# Altium PCB 28Pins_Project_V1I1_PCB.PcbDoc (part 1 of 2) (continued)
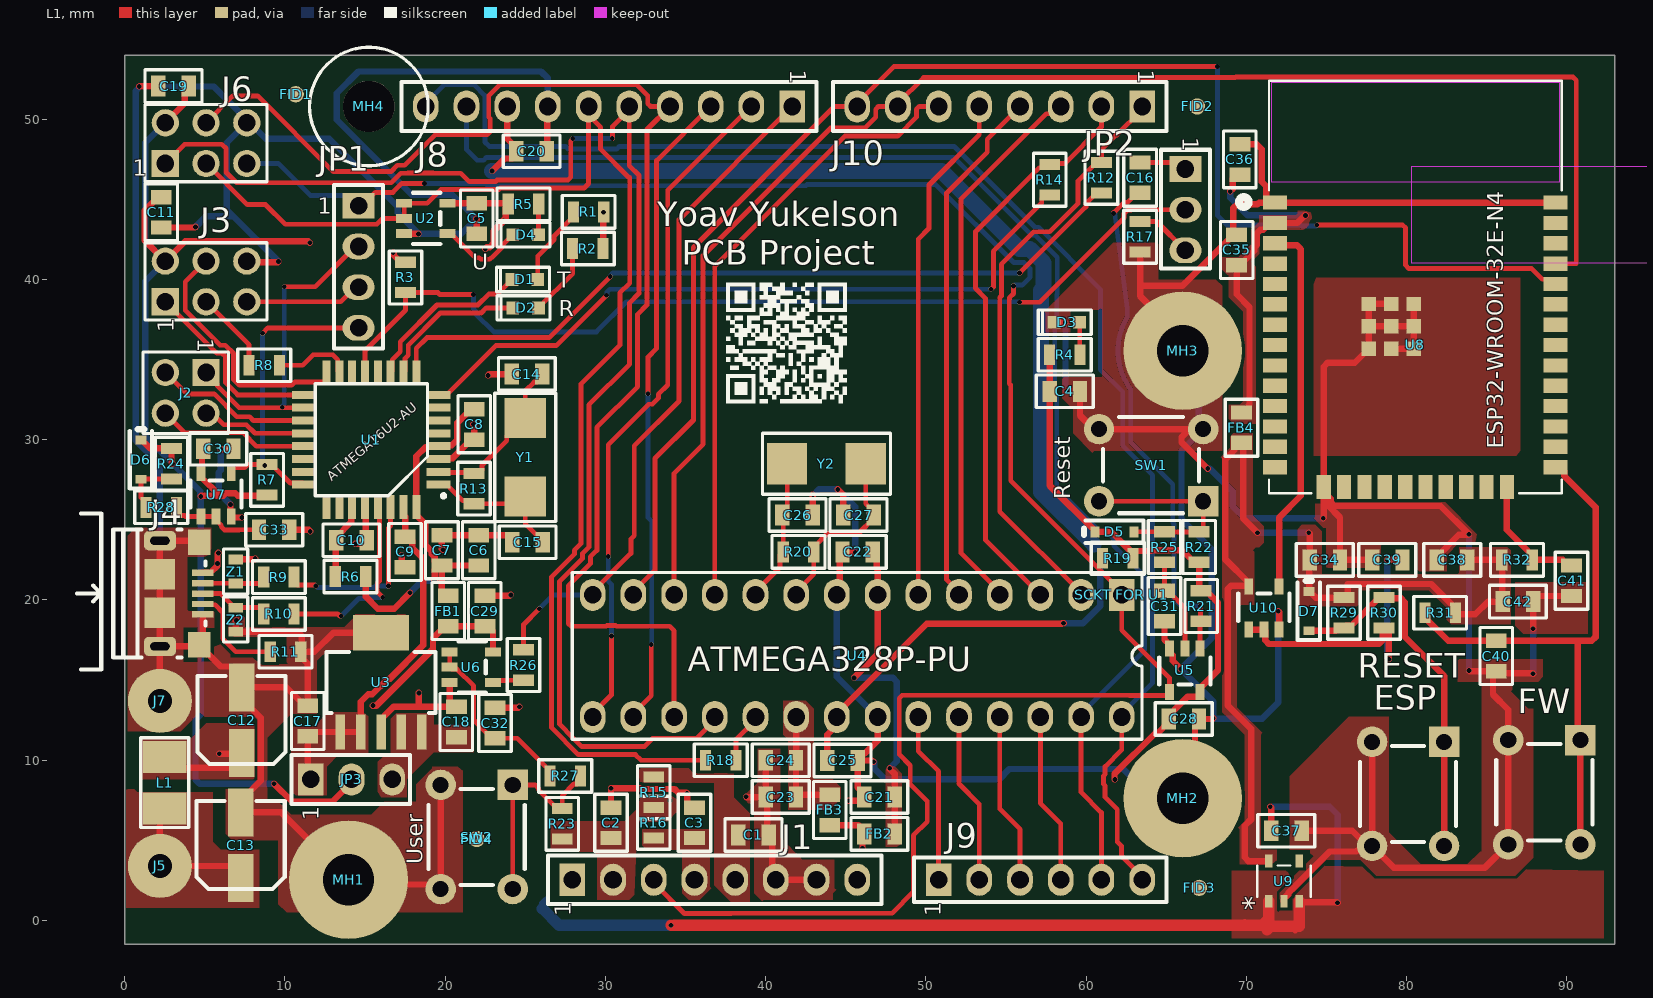
[diagram p0: L1 view]
## Part data (continued)
U3: "LDO Regulator Pos 3.3V 1.5A 6-Pin(5+Tab) SOT-223 T/R", Case/Package=SOT-223, Dropout Voltage=340mV, Input Bias Current=1mA, Manufacturer="Texas Instruments", Manufacturer Lifecycle Status=ACTIVE, Max Operating Temperature=125°C, Max Output current=1.5A, Max Output Voltage=3.3V, Max Supply Voltage=20V, Min Current Limit=1.6A, Min Input Voltage=2.1V, Min Operating Temperature=-40°C, Supplier Part Number=296-24534-1-ND, Accuracy=3%, Category="LDO Voltage Regulators", ComponentLink1Description=https://sigma.octopart.com:443/157894086/technical_drawing/Texas-Instruments-TL1963A-33DCQR.pdf?src-supplier=Texas+Instruments, ComponentLink1URL=https://sigma.octopart.com:443/157894086/technical_drawing/Texas-Instruments-TL1963A-33DCQR.pdf?src-supplier=Texas+Instruments, ComponentLink2Description=https://octopart.com:443/opatz8j6/c1?t=9mD5RQULXI1ak7xeTysiqjMNtmnZ6f-5FrTvB7_r4DbHBLnBFyEEUAB7oQRFYnYBddczv3zb-szTrB03ftlZv2FcwSVbX1IUuCPz-F24EiocuVTyjXQaBrNwp0XWuc7ycFLAG_MKvZUBNRr1Kujjht5i4PaggjT-7bJY3-jj4DZpnnQIv7ySfpA6BMsphC1XW0_WwwgTXSKtZ1S6jwFHj7xvtBGZxuzfucLIfP5AIvSdtd4umaO4rR7NVOA6J3EyqGEsttc9TpCdgXmdws0TU8wj62VhhBxgIxrcHRMQN5GOh_xn18L9hc08DAt5ZWFL704F4Wh3Om-1wD4IH2LlknCXxwJwnYLHjLAF550iU_Eu_AsOvtCZCrOkfmPYMENTiRLgx3I&src-supplier=Texas+Instruments, ComponentLink2URL=https://octopart.com:443/opatz8j6/c1?t=9mD5RQULXI1ak7xeTysiqjMNtmnZ6f-5FrTvB7_r4DbHBLnBFyEEUAB7oQRFYnYBddczv3zb-szTrB03ftlZv2FcwSVbX1IUuCPz-F24EiocuVTyjXQaBrNwp0XWuc7ycFLAG_MKvZUBNRr1Kujjht5i4PaggjT-7bJY3-jj4DZpnnQIv7ySfpA6BMsphC1XW0_WwwgTXSKtZ1S6jwFHj7xvtBGZxuzfucLIfP5AIvSdtd4umaO4rR7NVOA6J3EyqGEsttc9TpCdgXmdws0TU8wj62VhhBxgIxrcHRMQN5GOh_xn18L9hc08DAt5ZWFL704F4Wh3Om-1wD4IH2LlknCXxwJwnYLHjLAF550iU_Eu_AsOvtCZCrOkfmPYMENTiRLgx3I&src-supplier=Texas+Instruments, ComponentLink3Description=https://datasheet.octopart.com:443/TL1963A-33DCQR-Texas-Instruments-datasheet-36835243.pdf?src-supplier=Texas+Instruments, ComponentLink3URL=https://datasheet.octopart.com:443/TL1963A-33DCQR-Texas-Instruments-datasheet-36835243.pdf?src-supplier=Texas+Instruments, ComponentLink4Description=https://sigma.octopart.com:443/49257225/technical_drawing/Texas-Instruments-TL1963A-33DCQR.pdf?src-supplier=Texas+Instruments, ComponentLink4URL=https://sigma.octopart.com:443/49257225/technical_drawing/Texas-Instruments-TL1963A-33DCQR.pdf?src-supplier=Texas+Instruments, ComponentLink5Description=https://datasheet.octopart.com:443/TL1963A-33DCQR-Texas-Instruments-datasheet-10255270.pdf?src-supplier=Texas+Instruments, ComponentLink5URL=https://datasheet.octopart.com:443/TL1963A-33DCQR-Texas-Instruments-datasheet-10255270.pdf?src-supplier=Texas+Instruments, ComponentLink6Description=https://datasheet.octopart.com:443/TL1963A-33DCQR-Texas-Instruments-datasheet-159117591.pdf?src-supplier=Augswan, ComponentLink6URL=https://datasheet.octopart.com:443/TL1963A-33DCQR-Texas-Instruments-datasheet-159117591.pdf?src-supplier=Augswan, ComponentLink7Description=http://sigma.octopart.com:80/conflict_mineral_statement/Texas-Instruments-company-63.pdf?src-supplier=Compliance+Statements, ComponentLink7URL=http://sigma.octopart.com:80/conflict_mineral_statement/Texas-Instruments-company-63.pdf?src-supplier=Compliance+Statements, ComponentLink8Description=http://sigma.octopart.com:80/reach_statement/Texas-Instruments-company-64.pdf?src-supplier=Compliance+Statements, ComponentLink8URL=http://sigma.octopart.com:80/reach_statement/Texas-Instruments-company-64.pdf?src-supplier=Compliance+Statements, Contact Plating=Gold, Height=0m, Lead Free="Lead Free", Length=6.5mm, Lifecycle Status=Production, Manufacturer Part Number=TL1963A-33DCQR, Min Output Voltage=3.3V, Number of Outputs=1, Number of Regulators=1, Output Current=1.5A, Output Type=Fixed, Output Voltage=3.3V, Packaging="Tape and Reel", Pins=6, Polarity=Positive, Pricing="1=3.4, 10=2.559, 25=2.348, 100=2.1156, 250=2.00476, 500=1.93796, 1000=1.88298 (USD)", Quiescent Current=1mA, Radiation Hardening=No, RoHS=Compliant, Schedule B="8542390000, 8542390000|8542390000|8542390000|8542390000|8542390000", Stock=7773, Supplier=DigiKey, Thickness=1.6mm, Width=3.5mm
U4: "Microchip - ATMEGA328P-PU - Microcontroller Mcu, 8 Bit, Atmega, 20MHZ, DIP-28", Case/Package=PDIP, Clock Frequency=20MHz, Manufacturer=Microchip, Max Operating Temperature=85°C, Max Supply Voltage=5.5V, Min Operating Temperature=-40°C, Min Supply Voltage=1.8V, Supplier Part Number=1715487, Category=Microcontrollers, ComponentLink1Description=https://datasheet.octopart.com:443/ATMEGA328P-PU-Atmel-datasheet-34147914.pdf?src-supplier=Upverter, ComponentLink1URL=https://datasheet.octopart.com:443/ATMEGA328P-PU-Atmel-datasheet-34147914.pdf?src-supplier=Upverter, ComponentLink2Description=https://datasheet.octopart.com:443/ATMEGA328P-PU-Microchip-datasheet-14421303.pdf?src-supplier=Upverter, ComponentLink2URL=https://datasheet.octopart.com:443/ATMEGA328P-PU-Microchip-datasheet-14421303.pdf?src-supplier=Upverter, ComponentLink3Description=https://datasheet.octopart.com:443/ATMEGA328P-PU-Atmel-datasheet-14353408.pdf?src-supplier=Upverter, ComponentLink3URL=https://datasheet.octopart.com:443/ATMEGA328P-PU-Atmel-datasheet-14353408.pdf?src-supplier=Upverter, ComponentLink4Description=https://datasheet.octopart.com:443/ATMEGA328P-PU-Microchip-datasheet-68295846.pdf?src-supplier=SHENGYU+ELECTRONICS, ComponentLink4URL=https://datasheet.octopart.com:443/ATMEGA328P-PU-Microchip-datasheet-68295846.pdf?src-supplier=SHENGYU+ELECTRONICS, ComponentLink5Description=https://datasheet.octopart.com:443/ATMEGA328P-PU-Microchip-datasheet-133520744.pdf?src-supplier=LKR, ComponentLink5URL=https://datasheet.octopart.com:443/ATMEGA328P-PU-Microchip-datasheet-133520744.pdf?src-supplier=LKR, ComponentLink6Description=https://datasheet.octopart.com:443/ATMEGA328P-PU-Microchip-datasheet-62316222.pdf?src-supplier=element14+APAC, ComponentLink6URL=https://datasheet.octopart.com:443/ATMEGA328P-PU-Microchip-datasheet-62316222.pdf?src-supplier=element14+APAC, ComponentLink7Description=https://datasheet.octopart.com:443/ATMEGA328P-PU-Atmel-datasheet-13381135.pdf?src-supplier=element14+APAC, ComponentLink7URL=https://datasheet.octopart.com:443/ATMEGA328P-PU-Atmel-datasheet-13381135.pdf?src-supplier=element14+APAC, ComponentLink8Description=https://datasheet.octopart.com:443/ATMEGA328P-PU-Microchip-datasheet-147334532.pdf?src-supplier=Microchip, ComponentLink8URL=https://datasheet.octopart.com:443/ATMEGA328P-PU-Microchip-datasheet-147334532.pdf?src-supplier=Microchip, ComponentLink9Description=https://datasheet.octopart.com:443/ATMEGA328P-PU-Microchip-datasheet-148646239.pdf?src-supplier=Microchip, ComponentLink9URL=https://datasheet.octopart.com:443/ATMEGA328P-PU-Microchip-datasheet-148646239.pdf?src-supplier=Microchip, ComponentLink10Description=https://datasheet.octopart.com:443/ATMEGA328P-PU-Microchip-datasheet-154741723.pdf?src-supplier=Electro+Sonic, ComponentLink10URL=https://datasheet.octopart.com:443/ATMEGA328P-PU-Microchip-datasheet-154741723.pdf?src-supplier=Electro+Sonic, ComponentLink11Description=https://datasheet.octopart.com:443/ATMEGA328P-PU-Microchip-datasheet-100453898.pdf?src-supplier=Burklin+Elektronik, ComponentLink11URL=https://datasheet.octopart.com:443/ATMEGA328P-PU-Microchip-datasheet-100453898.pdf?src-supplier=Burklin+Elektronik, ComponentLink12Description=https://datasheet.octopart.com:443/ATMEGA328P-PU-Atmel-datasheet-30457899.pdf?src-supplier=Seeed+Studio, ComponentLink12URL=https://datasheet.octopart.com:443/ATMEGA328P-PU-Atmel-datasheet-30457899.pdf?src-supplier=Seeed+Studio, ComponentLink13Description=https://datasheet.octopart.com:443/ATMEGA328P-PU-Microchip-datasheet-10842036.pdf?src-supplier=SOS+electronic, ComponentLink13URL=https://datasheet.octopart.com:443/ATMEGA328P-PU-Microchip-datasheet-10842036.pdf?src-supplier=SOS+electronic, ComponentLink14Description=https://datasheet.octopart.com:443/ATMEGA328P-PU-Microchip-datasheet-8364063.pdf?src-supplier=Jameco, ComponentLink14URL=https://datasheet.octopart.com:443/ATMEGA328P-PU-Microchip-datasheet-8364063.pdf?src-supplier=Jameco, ComponentLink15Description=https://datasheet.octopart.com:443/ATMEGA328P-PU-Microchip-datasheet-154323124.pdf?src-supplier=Jameco, ComponentLink15URL=https://datasheet.octopart.com:443/ATMEGA328P-PU-Microchip-datasheet-154323124.pdf?src-supplier=Jameco, ComponentLink16Description=https://datasheet.octopart.com:443/ATMEGA328P-PU-Atmel-datasheet-10389530.pdf?src-supplier=Newark, ComponentLink16URL=https://datasheet.octopart.com:443/ATMEGA328P-PU-Atmel-datasheet-10389530.pdf?src-supplier=Newark, ComponentLink17Description=https://datasheet.octopart.com:443/ATMEGA328P-PU-Microchip-datasheet-65729177.pdf?src-supplier=TME, ComponentLink17URL=https://datasheet.octopart.com:443/ATMEGA328P-PU-Microchip-datasheet-65729177.pdf?src-supplier=TME, ComponentLink18Description=https://datasheet.octopart.com:443/ATMEGA328P-PU-Microchip-datasheet-101746195.pdf?src-supplier=Future+Electronics, ComponentLink18URL=https://datasheet.octopart.com:443/ATMEGA328P-PU-Microchip-datasheet-101746195.pdf?src-supplier=Future+Electronics, ComponentLink19Description=http://sigma.octopart.com:80/188450569/materials_sheet/Microchip-ATMEGA328P-PU.pdf?src-supplier=Compliance+Statements, ComponentLink19URL=http://sigma.octopart.com:80/188450569/materials_sheet/Microchip-ATMEGA328P-PU.pdf?src-supplier=Compliance+Statements, ComponentLink20Description=http://sigma.octopart.com:80/conflict_mineral_statement/Microchip-company-68.pdf?src-supplier=Compliance+Statements, ComponentLink20URL=http://sigma.octopart.com:80/conflict_mineral_statement/Microchip-company-68.pdf?src-supplier=Compliance+Statements, ComponentLink21Description=http://sigma.octopart.com:80/conflict_mineral_statement/Microchip-company-69.pdf?src-supplier=Compliance+Statements, ComponentLink21URL=http://sigma.octopart.com:80/conflict_mineral_statement/Microchip-company-69.pdf?src-supplier=Compliance+Statements, ComponentLink22Description=http://sigma.octopart.com:80/reach_statement/Microchip-company-70.pdf?src-supplier=Compliance+Statements, ComponentLink22URL=http://sigma.octopart.com:80/reach_statement/Microchip-company-70.pdf?src-supplier=Compliance+Statements, ComponentLink23Description=http://sigma.octopart.com:80/rohs_statement/Microchip-company-71.pdf?src-supplier=Compliance+Statements, ComponentLink23URL=http://sigma.octopart.com:80/rohs_statement/Microchip-company-71.pdf?src-supplier=Compliance+Statements, ComponentLink24Description=http://sigma.octopart.com:80/rohs_statement/Atmel-company-4.pdf?src-supplier=Compliance+Statements, ComponentLink24URL=http://sigma.octopart.com:80/rohs_statement/Atmel-company-4.pdf?src-supplier=Compliance+Statements, ComponentLink25Description=http://sigma.octopart.com:80/rohs_statement/Atmel-company-5.pdf?src-supplier=Compliance+Statements, ComponentLink25URL=http://sigma.octopart.com:80/rohs_statement/Atmel-company-5.pdf?src-supplier=Compliance+Statements, ComponentLink26Description=http://sigma.octopart.com:80/reach_statement/Atmel-company-6.pdf?src-supplier=Compliance+Statements, ComponentLink26URL=http://sigma.octopart.com:80/reach_statement/Atmel-company-6.pdf?src-supplier=Compliance+Statements, Contact Plating=Tin, Core Architecture=AVR, Country of Assembly=Thailand, Country of Fabrication="United States of America", Country of Origin=Thailand, Data Bus Width=8b, Export Control Classification Number (ECCN) Code=EAR99, Frequency=20MHz, Harmonized Tariff Schedule (HTS) Code=8542.31.0015, Height=3.28mm, Interface="2-Wire, I2C, SPI, UART, USART", Lead Free="Lead Free", Length=37.4mm, Lifecycle Status=Production, Manufacturer Part Number=ATMEGA328P-PU, Memory Format=FLASH, Memory Size=32kB, Mounting Technology="Through Hole", Number of ADC Channels=6, Number of I2C Channels=1, Number of I/Os=23, Number of Programmable I/O=23, Number of PWM Channels=6, Number of SPI Channels=1, Number of Timers/Counters=3, Oscillator Type=Internal, Peripherals="Brown-out Detect/Reset, POR, PWM, WDT", Pins=28, Pricing="1=3.296, 25=3.229 (USD)", Projected EOL Date=2039-11-04, Radiation Hardening=No, RAM Size=2kB, REACH SVHC=No, RoHS=Compliant, Schedule B="8542310000, 8542310000|8542310000|8542310000|8542310000|8542310000", Stock=17449, Supplier=Farnell, Watchdog Timer=Yes, Width=6.76mm
U8: "WLAN+BT Module 2412MHz to 2484MHz 47-Pin SMD Module", Manufacturer="Espressif Systems", Max Operating Temperature=85°C, Max Supply Voltage=3.6V, Min Operating Temperature=-40°C, Min Supply Voltage=3V, Operating Supply Voltage=3.3V, Supplier Part Number=1965-ESP32-WROOM-32E-N4CT-ND, Category="System on Chip (SoC)", ComponentLink1Description=https://datasheet.octopart.com:443/ESP32-WROOM-32E-N4-Espressif-Systems-datasheet-182247776.pdf?src-supplier=IHS, ComponentLink1URL=https://datasheet.octopart.com:443/ESP32-WROOM-32E-N4-Espressif-Systems-datasheet-182247776.pdf?src-supplier=IHS, ComponentLink2Description=https://datasheet.octopart.com:443/ESP32-WROOM-32E-N4-Espressif-Systems-datasheet-188867343.pdf?src-supplier=TME, ComponentLink2URL=https://datasheet.octopart.com:443/ESP32-WROOM-32E-N4-Espressif-Systems-datasheet-188867343.pdf?src-supplier=TME, ComponentLink3Description=https://datasheet.octopart.com:443/ESP32-WROOM-32E-N4-Espressif-Systems-datasheet-165560559.pdf?src-supplier=TME, ComponentLink3URL=https://datasheet.octopart.com:443/ESP32-WROOM-32E-N4-Espressif-Systems-datasheet-165560559.pdf?src-supplier=TME, ComponentLink4Description=https://datasheet.octopart.com:443/ESP32-WROOM-32E-N4-Espressif-Systems-datasheet-151884363.pdf?src-supplier=Future+Electronics, ComponentLink4URL=https://datasheet.octopart.com:443/ESP32-WROOM-32E-N4-Espressif-Systems-datasheet-151884363.pdf?src-supplier=Future+Electronics, Height - Seated (Max)=3.25mm, Length=25.5mm, Manufacturer Part Number=ESP32-WROOM-32E-N4, Number of Terminals=38, Pricing="1=4.84, 10=4.189, 25=3.9612, 100=3.649, 250=3.46184 (USD)", RoHS=Compliant, Stock=15868, Supplier=DigiKey, Terminal Pitch=1.27mm, Width=18mm
U9: "AP2112 Series 0.6 A 3.3 V Fixed Output SMT LDO Linear Regulator - SOT23-5", Ambient Temperature Range High=85°C, Case/Package=SOT-23-5, Dropout Voltage=250mV, Manufacturer="Diodes Inc.", Max Output current=600mA, Max Supply Voltage=6V, Min Input Voltage=2.5V, Min Operating Temperature=-40°C, Nominal Supply Current=55µA, Output Voltage=3.3V, Supplier Part Number=AP2112K-3.3TRG1DICT-ND, Voltage Tolerance=1.5%, Accuracy=1.5%, Category="LDO Voltage Regulators", China RoHS=Compliant, ComponentLink1Description=https://datasheet.octopart.com:443/AP2112K-3.3TRG1-Diodes-Inc.-datasheet-101745658.pdf?src-supplier=IHS, ComponentLink1URL=https://datasheet.octopart.com:443/AP2112K-3.3TRG1-Diodes-Inc.-datasheet-101745658.pdf?src-supplier=IHS, ComponentLink2Description=https://datasheet.octopart.com:443/AP2112K-3.3TRG1-Diodes-Inc.-datasheet-182385097.pdf?src-supplier=IHS, ComponentLink2URL=https://datasheet.octopart.com:443/AP2112K-3.3TRG1-Diodes-Inc.-datasheet-182385097.pdf?src-supplier=IHS, ComponentLink3Description=https://datasheet.octopart.com:443/AP2112K-3.3TRG1-Diodes-Inc.-datasheet-37177583.pdf?src-supplier=SHENGYU+ELECTRONICS, ComponentLink3URL=https://datasheet.octopart.com:443/AP2112K-3.3TRG1-Diodes-Inc.-datasheet-37177583.pdf?src-supplier=SHENGYU+ELECTRONICS, ComponentLink4Description=https://sigma.octopart.com:443/138895853/technical_drawing/Diodes-Inc.-AP2112K-3.3TRG1.pdf?src-supplier=Upverter, ComponentLink4URL=https://sigma.octopart.com:443/138895853/technical_drawing/Diodes-Inc.-AP2112K-3.3TRG1.pdf?src-supplier=Upverter, Height=1.4mm, Height - Seated (Max)=1.45mm, Lead Free="Lead Free", Length=2.92mm, Lifecycle Status=Production, Manufacturer Part Number=AP2112K-3.3TRG1, Max Junction Temperature (Tj)=85°C, Max Operating Temperature=85°C, Min Supply Voltage=2.5V, Mounting Technology="Surface Mount", Number of Channels=1, Number of Circuits=1, Number of Outputs=1, Number of Regulators=1, Number of Terminals=5, Output Current=600mA, Output Type=Fixed, Packaging=Digi-Reel®, Pins=5, Polarity=Positive, Pricing="1=0.22, 10=0.153, 25=0.1348, 100=0.1151, 250=0.10576, 500=0.1001, 1000=0.09545 (USD)", Quiescent Current=55µA, REACH SVHC=Yes, RoHS=Compliant, Schedule B="8542390000, 8542390000|8542390000|8542390000|8542390000|8542390000", Stock=48510, Supplier=DigiKey, Terminal Pitch=950µm, Width=1.6mm
Y1 Y2: "Crystal 16MHz ±20ppm (Tol) ±30ppm (Stability) 18pF FUND 50Ohm 2-Pin Mini-CSMD T/R", Case/Package=CSMD, ESR (Equivalent Series Resistance)=50Ω, Frequency=16MHz, Frequency Stability=30ppm, Frequency Tolerance=0.002%, Load Capacitance=18pF, Manufacturer=Abracon, Max Operating Temperature=85°C, Min Operating Temperature=-40°C, Supplier Part Number=535-9840-1-ND, Category=Crystals, China RoHS=Non-Compliant, ComponentLink1Description=https://datasheet.octopart.com:443/ABM7-16.000MHZ-D2Y-T-Abracon-datasheet-103053454.pdf?src-supplier=ODG+(Origin+Data+Global), ComponentLink1URL=https://datasheet.octopart.com:443/ABM7-16.000MHZ-D2Y-T-Abracon-datasheet-103053454.pdf?src-supplier=ODG+(Origin+Data+Global), ComponentLink2Description=https://datasheet.octopart.com:443/ABM7-16.000MHZ-D2Y-T-Abracon-datasheet-10672703.pdf?src-supplier=Farnell, ComponentLink2URL=https://datasheet.octopart.com:443/ABM7-16.000MHZ-D2Y-T-Abracon-datasheet-10672703.pdf?src-supplier=Farnell, ComponentLink3Description=https://datasheet.octopart.com:443/ABM7-16.000MHZ-D2Y-T-Abracon-datasheet-8837364.pdf?src-supplier=Upverter, ComponentLink3URL=https://datasheet.octopart.com:443/ABM7-16.000MHZ-D2Y-T-Abracon-datasheet-8837364.pdf?src-supplier=Upverter, ComponentLink4Description=https://datasheet.octopart.com:443/ABM7-16.000MHZ-D2Y-T-Abracon-datasheet-8817375.pdf?src-supplier=Upverter, ComponentLink4URL=https://datasheet.octopart.com:443/ABM7-16.000MHZ-D2Y-T-Abracon-datasheet-8817375.pdf?src-supplier=Upverter, ComponentLink5Description=https://datasheet.octopart.com:443/ABM7-16.000MHZ-D2Y-T-Abracon-datasheet-8699803.pdf?src-supplier=Upverter, ComponentLink5URL=https://datasheet.octopart.com:443/ABM7-16.000MHZ-D2Y-T-Abracon-datasheet-8699803.pdf?src-supplier=Upverter, ComponentLink6Description=https://datasheet.octopart.com:443/ABM7-16.000MHZ-D2Y-T-Abracon-datasheet-8623263.pdf?src-supplier=Upverter, ComponentLink6URL=https://datasheet.octopart.com:443/ABM7-16.000MHZ-D2Y-T-Abracon-datasheet-8623263.pdf?src-supplier=Upverter, ComponentLink7Description=https://datasheet.octopart.com:443/ABM7-16.000MHZ-D2Y-T-Abracon-datasheet-8452219.pdf?src-supplier=Upverter, ComponentLink7URL=https://datasheet.octopart.com:443/ABM7-16.000MHZ-D2Y-T-Abracon-datasheet-8452219.pdf?src-supplier=Upverter, ComponentLink8Description=https://datasheet.octopart.com:443/ABM7-16.000MHZ-D2Y-T-Abracon-datasheet-8330406.pdf?src-supplier=Upverter, ComponentLink8URL=https://datasheet.octopart.com:443/ABM7-16.000MHZ-D2Y-T-Abracon-datasheet-8330406.pdf?src-supplier=Upverter, ComponentLink9Description=https://datasheet.octopart.com:443/ABM7-16.000MHZ-D2Y-T-Abracon-datasheet-5320088.pdf?src-supplier=Upverter, ComponentLink9URL=https://datasheet.octopart.com:443/ABM7-16.000MHZ-D2Y-T-Abracon-datasheet-5320088.pdf?src-supplier=Upverter, ComponentLink10Description=https://datasheet.octopart.com:443/ABM7-16.000MHZ-D2Y-T-Abracon-datasheet-157440075.pdf?src-supplier=Sager+Electronics, ComponentLink10URL=https://datasheet.octopart.com:443/ABM7-16.000MHZ-D2Y-T-Abracon-datasheet-157440075.pdf?src-supplier=Sager+Electronics, ComponentLink11Description=https://sigma.octopart.com:443/141159867/technical_drawing/Abracon-ABM7-16.000MHZ-D2Y-T.pdf?src-supplier=Abracon+SCT, ComponentLink11URL=https://sigma.octopart.com:443/141159867/technical_drawing/Abracon-ABM7-16.000MHZ-D2Y-T.pdf?src-supplier=Abracon+SCT, ComponentLink12Description=https://datasheet.octopart.com:443/ABM7-16.000MHZ-D2Y-T-Abracon-datasheet-15994676.pdf?src-supplier=TME, ComponentLink12URL=https://datasheet.octopart.com:443/ABM7-16.000MHZ-D2Y-T-Abracon-datasheet-15994676.pdf?src-supplier=TME, ComponentLink13Description=http://sigma.octopart.com:80/conflict_mineral_statement/Abracon-company-27.pdf?src-supplier=Compliance+Statements, ComponentLink13URL=http://sigma.octopart.com:80/conflict_mineral_statement/Abracon-company-27.pdf?src-supplier=Compliance+Statements, Composition=Ceramic, Depth=3.5mm, ESR=50Ω, Height=1.4mm, Lead Free="Lead Free", Length=6mm, Lifecycle Status=Production, Manufacturer Part Number=ABM7-16.000MHZ-D2Y-T, Mounting Technology="Surface Mount", Pins=2, Pricing="1=0.64, 10=0.553, 25=0.5228, 50=0.501, 100=0.4803, 250=0.45424, 500=0.43544 (USD)", Radiation Hardening=No, REACH SVHC=Yes, RoHS=Compliant, Schedule B="8541600025, 8541600025|8541600025|8541600025|8541600025|8541600025, 8541600080", Stock=23304, Supplier=DigiKey, Termination=SMD/SMT, Tolerance=0.002%, Width=3.5mm
Z1 Z2: "ESD Suppressor Multilayer Varistor 5V Automotive 2-Pin Case 0603(1608Metric) T/R", Case Code (Imperial)=0603, Case Code (Metric)=1608, Clamping Voltage=20V, Current Rating=50nA, Manufacturer=Bourns, Max Operating Temperature=125°C, Max Voltage Rating (DC)=5V, Min Operating Temperature=-55°C, Supplier Part Number=CG0603MLC-05ECT-ND, Voltage Rating (AC)=8V, Case/Package=0603, Category=Resistors, China RoHS=Compliant, ComponentLink1Description=https://datasheet.octopart.com:443/CG0603MLC-05E-Bourns-datasheet-182141775.pdf?src-supplier=IHS, ComponentLink1URL=https://datasheet.octopart.com:443/CG0603MLC-05E-Bourns-datasheet-182141775.pdf?src-supplier=IHS, ComponentLink2Description=https://datasheet.octopart.com:443/CG0603MLC-05E-Bourns-datasheet-17172219.pdf?src-supplier=Upverter, ComponentLink2URL=https://datasheet.octopart.com:443/CG0603MLC-05E-Bourns-datasheet-17172219.pdf?src-supplier=Upverter, ComponentLink3Description=https://datasheet.octopart.com:443/CG0603MLC-05E-Bourns-datasheet-8497455.pdf?src-supplier=Upverter, ComponentLink3URL=https://datasheet.octopart.com:443/CG0603MLC-05E-Bourns-datasheet-8497455.pdf?src-supplier=Upverter, ComponentLink4Description=https://datasheet.octopart.com:443/CG0603MLC-05E-Bourns-datasheet-21823698.pdf?src-supplier=Master+Electronics, ComponentLink4URL=https://datasheet.octopart.com:443/CG0603MLC-05E-Bourns-datasheet-21823698.pdf?src-supplier=Master+Electronics, ComponentLink5Description=https://datasheet.octopart.com:443/CG0603MLC-05E-Bourns-datasheet-80871568.pdf?src-supplier=Farnell, ComponentLink5URL=https://datasheet.octopart.com:443/CG0603MLC-05E-Bourns-datasheet-80871568.pdf?src-supplier=Farnell, ComponentLink6Description=https://datasheet.octopart.com:443/CG0603MLC-05E-Bourns-datasheet-94104127.pdf?src-supplier=Farnell, ComponentLink6URL=https://datasheet.octopart.com:443/CG0603MLC-05E-Bourns-datasheet-94104127.pdf?src-supplier=Farnell, ComponentLink7Description=https://datasheet.octopart.com:443/CG0603MLC-05E-Bourns-datasheet-13383913.pdf?src-supplier=Electro+Sonic, ComponentLink7URL=https://datasheet.octopart.com:443/CG0603MLC-05E-Bourns-datasheet-13383913.pdf?src-supplier=Electro+Sonic, ComponentLink8Description=https://datasheet.octopart.com:443/CG0603MLC-05E-Bourns-datasheet-169697978.pdf?src-supplier=Burklin+Elektronik, ComponentLink8URL=https://datasheet.octopart.com:443/CG0603MLC-05E-Bourns-datasheet-169697978.pdf?src-supplier=Burklin+Elektronik, ComponentLink9Description=https://datasheet.octopart.com:443/CG0603MLC-05E-Bourns-datasheet-14050724.pdf?src-supplier=iiiC, ComponentLink9URL=https://datasheet.octopart.com:443/CG0603MLC-05E-Bourns-datasheet-14050724.pdf?src-supplier=iiiC, ComponentLink10Description=https://datasheet.octopart.com:443/CG0603MLC-05E-Bourns-datasheet-5391063.pdf?src-supplier=Verical, ComponentLink10URL=https://datasheet.octopart.com:443/CG0603MLC-05E-Bourns-datasheet-5391063.pdf?src-supplier=Verical, ComponentLink11Description=https://datasheet.octopart.com:443/CG0603MLC-05E-Bourns-datasheet-7620537.pdf?src-supplier=Jameco, ComponentLink11URL=https://datasheet.octopart.com:443/CG0603MLC-05E-Bourns-datasheet-7620537.pdf?src-supplier=Jameco, ComponentLink12Description=https://datasheet.octopart.com:443/CG0603MLC-05E-Bourns-datasheet-53157.pdf?src-supplier=RS+(Formerly+Allied+Electronics), ComponentLink12URL=https://datasheet.octopart.com:443/CG0603MLC-05E-Bourns-datasheet-53157.pdf?src-supplier=RS+(Formerly+Allied+Electronics), ComponentLink13Description=https://datasheet.octopart.com:443/CG0603MLC-05E-Bourns-datasheet-48705.pdf?src-supplier=Mouser, ComponentLink13URL=https://datasheet.octopart.com:443/CG0603MLC-05E-Bourns-datasheet-48705.pdf?src-supplier=Mouser, ComponentLink14Description=http://sigma.octopart.com:80/15887669/rohs_statement/Bourns-CG0603MLC-05E.pdf?src-supplier=Compliance+Statements, ComponentLink14URL=http://sigma.octopart.com:80/15887669/rohs_statement/Bourns-CG0603MLC-05E.pdf?src-supplier=Compliance+Statements, ComponentLink15Description=http://sigma.octopart.com:80/conflict_mineral_statement/Bourns-company-36.pdf?src-supplier=Compliance+Statements, ComponentLink15URL=http://sigma.octopart.com:80/conflict_mineral_statement/Bourns-company-36.pdf?src-supplier=Compliance+Statements, Contact Plating=Silver, Depth=800µm, Element Configuration=Single, Height=510µm, Leakage Current=50nA, Length=1.6mm, Lifecycle Status=NRND, Manufacturer Part Number=CG0603MLC-05E, Mounting Technology="Surface Mount", Number of Channels=1, Number of Circuits=1, Number of Terminals=2, Packaging="Tape and Reel", Pins=2, Pricing="1=0.25, 10=0.169, 25=0.15, 100=0.1283, 250=0.11804, 500=0.11182, 1000=0.10671, 2500=0.10404 (USD)", Radiation Hardening=No, REACH SVHC=Yes, RoHS=Compliant, Schedule B="8536300000, 8536300000|8536300000, 8536300000|8536300000|8536300000, 8536300000|8536300000|8536300000|8536300000", Stock=1582, Supplier=DigiKey, Termination=SMD/SMT, Thickness=800µm, Turn-On Delay Time=1ns, Voltage=5V, Voltage Rating (DC)=5V, Width=850µm, Working Voltage=5V

## Via types
v1: diameter 0.3, hole 0.3, L1 to L2, 95 vias

## Nets (pads, with @x,y where several pads share a name; then routed paths per layer and width w, separated by ;. In a path a pad name is that pad's centre, name@x,y a point inside that pad or via, vN(x,y) a via of type N, cw(c..) or ccw(c..) an arc to the next point about the centre after c; other vN are vias at no path point)
16U2_16MHz_XTAL1: C15.2 R13.1 U1.1 Y1.1 | length 9.5
  L1 w0.3: U1.1@19.6,27.2 20.1,27.2 21.1,26.2 21.6,26.2 R13.1@21.8,26 24.55,26 Y1.1@25,26.45 25,24.75 25.65,24.1 25.8,24.1 26.1,23.8 C15.2@26.1,23.6
16U2_16MHz_XTAL2: C14.2 R13.2 U1.2 Y1.2 | length 10.5
  L1 w0.3: U1.2@19.6,28 19.65,27.95 21.75,27.95 R13.2@21.8,27.9 22.1,27.9 22.3,28.1 22.3,28.4 23.85,29.95 23.85,30.25 24.95,31.35 Y1.2@25,31.35 25,33.05 25.55,33.6 25.75,33.6 26.05,33.9 C14.2@26.05,34.1
16U2_BUF_RESETn: C33.2 R28.2 U7.1 U7.2 | length 6.1
  L1 w0.3: R28.2@3.236,25.781 3.236,25.481 3.436,25.281 3.736,25.281 3.802,25.215 U7.1@4.755,25.215 U7.2@5.705,25.215 5.705,24.99 6.03,24.665 6.03,24.57 6.235,24.365 7.149,24.365 7.168,24.384 C33.2@8.382,24.384
16U2_HDR_RESETn: J3.5 JP1.3 | length 7.4
  L1 w0.3: J3.5@7.62,38.608 13.488,38.608 14.4,39.52 JP1.3@14.6,39.52
16U2_MISO: J3.1 U1.17 | length 12
  L1 w0.3: J3.1@2.54,38.608 5.748,35.4 6.075,35.4 6.299,35.176 6.299,33.552 7.051,32.8 U1.17@11.2,32.8
16U2_MOSI: J3.4 U1.16 | length 15.9
  L1 w0.3: J3.4@5.08,41.148 3.785,39.853 3.785,38.071 5.955,35.9 6.282,35.9 6.799,35.383 6.799,33.759 7.158,33.4 10.413,33.4 10.617,33.604 12.5,33.604 12.6,33.704 U1.16@12.6,34.2
16U2_PB4: J2.1 JP1.2 U1.18 | length 20.4
  L1 w0.3: J2.1@5.08,34.2 5.78,33.5 5.78,33.364 7.144,32 U1.18@11.2,32 ; v1(9.957,39.548) 11.888,39.548 14.4,42.06 JP1.2@14.6,42.06
  L2 w0.3: v1(9.83,32.029) 9.83,32.08 9.957,32.207 v1(9.957,39.548)
16U2_PB5: J2.3 U1.19 | length 9.9
  L1 w0.3: J2.3@2.54,34.2 3.88,32.86 5.577,32.86 6.998,31.439 7.801,31.439 8.04,31.2 U1.19@11.2,31.2
16U2_PB6: J2.2 U1.20 | length 6.6
  L1 w0.3: J2.2@5.08,31.66 5.459,31.66 6.18,30.939 7.594,30.939 8.133,30.4 U1.20@11.2,30.4
16U2_PB7: J2.4 U1.21 | length 9.5
  L1 w0.3: J2.4@2.54,31.66 3.761,30.439 7.387,30.439 8.226,29.6 U1.21@11.2,29.6
16U2_RESETn: JP1.4 R7.1 U1.24 U7.4 | length 19.8
  L1 w0.3: U7.4@6.655,27.915 6.655,28.14 6.78,28.265 7.493,28.265 7.677,28.448 R7.1@8.89,28.448 9.19,28.448 10.338,27.3 11.1,27.3 U1.24@11.2,27.2 ; v1(8.611,36.652) 8.938,36.98 JP1.4@14.6,36.98
  L2 w0.3: v1(8.611,36.652) 8.611,28.524 v1(8.738,28.397)
16U2_RX_LED: D2.1 U1.10 | length 9.3
  L1 w0.3: U1.10@17.4,34.2 17.5,34.3 17.5,35.088 17.7,35.288 17.7,35.912 19.699,37.91 22.254,37.91 22.57,38.227 D2.1@24.219,38.227
16U2_RXD: R14.1 U1.8 | length 44.9
  L1 w0.3: U1.8@19.6,32.8 20.1,32.8 23.173,35.873 26.932,35.873 v1(30.074,39.014) ; v1(54.077,39.395) 54.221,39.54 54.221,41.765 57.234,44.778 57.234,45.078 57.434,45.278 R14.1@57.734,45.278
  L2 w0.3: v1(30.074,39.014) 30.099,39.04 30.099,39.218 30.277,39.395 v1(54.077,39.395)
16U2_SCLK: J3.3 R8.2 | length 5.1
  L1 w0.3: J3.3@5.08,38.608 7.762,35.926 R8.2@7.762,34.646
16U2_SCLK_R: R8.1 U1.15 | length 4.9
  L1 w0.3: R8.1@9.662,34.646 11.101,34.646 11.756,35.3 12.995,35.3 13.3,34.995 13.3,34.3 U1.15@13.4,34.2
16U2_TX_LED: D1.1 U1.11 | length 10.8
  L1 w0.3: U1.11@16.6,34.2 16.7,34.3 16.7,34.995 17.2,35.495 17.2,36.119 19.492,38.41 22.047,38.41 22.741,39.105 23.281,39.105 D1.1@24.181,40.005
16U2_TXD: R12.1 U1.9 | length 48.4
  L1 w0.3: U1.9@18.2,34.2 18.2,35.705 18.868,36.373 26.492,36.373 v1(30.302,40.183) ; v1(55.855,40.411) 55.876,40.411 59.995,44.53 59.995,44.74 60.66,45.405 R12.1@60.96,45.405
  L2 w0.3: v1(30.302,40.183) 30.302,40.236 30.478,40.411 v1(55.855,40.411)
16U2PROG_328P_RESETn: JP2.2 R3.1 U1.13 | length 59.7
  L1 w0.3: U1.13@15,34.2 15,35.554 17.526,38.08 R3.1@17.526,39.182 19.556,39.182 19.678,39.06 v1(21.777,39.06) ; v1(55.855,38.583) 57.105,38.583 62.373,43.851 62.373,44.117 62.578,44.322 62.797,44.322 62.835,44.36 JP2.2@66.2,44.36
  L2 w0.3: v1(21.777,39.06) 21.777,38.141 21.92,37.998 21.92,37.846 23.038,36.728 29.439,36.728 31.318,38.608 55.829,38.608 v1(55.855,38.583)
328P_16MHz_XTAL1: C27.2 R20.1 U4.9 Y2.1 | length 11.5
  L1 w0.3: U4.9@41.91,20.32 41.91,20.52 43,21.61 R20.1@43,23 43,23.3 43.85,24.15 45.8,24.15 46.75,25.1 C27.2@46.75,25.3 46.75,25.5 46.25,26 Y2.1@46.25,28.5
328P_16MHz_XTAL2: C26.2 R20.2 U4.10 Y2.2 | length 9
  L1 w0.3: U4.10@39.37,20.32 39.37,20.52 40.9,22.05 40.9,22.8 R20.2@41.1,23 41.1,25.25 C26.2@41.05,25.3 41.35,25.6 Y2.2@41.35,28.5
328P_AUTORESETn: C16.1 R21.1 U5.1 | length 32.3
  L1 w0.3: v1(61.723,44.12) 61.723,44.174 62.371,44.822 62.59,44.822 63.173,45.405 C16.1@63.373,45.405 ; U5.1@67.117,16.971 67.117,18.608 R21.1@67.183,18.674 67.145,18.712 v1(67.145,19.622)
  L2 w0.3: v1(61.723,44.12) 61.798,44.12 62.578,38.205 62.578,37.661 ccw(c66.04,35.56) 62.789,33.145 62.789,29.845 65.41,27.224 65.41,24.819 65.481,24.747 65.481,20.066 65.913,19.634 67.133,19.634 v1(67.145,19.622)
328P_BUF_RESETn: C31.2 R25.2 U5.2 | length 6
  L1 w0.3: R25.2@64.897,22.352 C31.2@64.897,20.574 65.097,20.574 66.167,19.504 U5.2@66.167,16.971
328P_RESETn: J1.3 J6.5 JP1.1 R19.1 U4.1 U5.4 | length 132.2
  L1 w0.3: JP1.1@14.6,44.6 14.8,44.6 15.641,45.441 16.739,45.441 17.297,45.999 v1(18.72,45.999) ; J1.3@33.02,2.54 33.02,2.34 34.928,0.432 37.854,0.432 37.872,0.45 47.897,0.45 49.225,1.778 49.225,5.309 50.089,6.172 50.089,7.446 49.03,8.505 49.03,9.67 48.336,10.364 48.336,13.87 48.516,14.05 62.706,14.05 62.71,14.046 65.092,14.046 65.217,14.171 U5.4@65.217,14.271 65.217,15.123 62.23,18.11 U4.1@62.23,20.32 62.23,20.52 55.296,27.454 55.296,33.416 55.205,33.507 55.205,38.754 55.221,38.771 55.221,38.868 55.474,39.121 v1(55.474,39.599)
  L2 w0.3: J6.5@7.62,47.244 9.585,47.244 11.579,45.25 13.95,45.25 JP1.1@14.6,44.6 ; v1(18.72,45.999) 22.502,45.999 22.655,45.847 42.515,45.847 42.593,45.925 50.621,45.925 55.484,41.061 56.124,41.061 56.505,40.681 56.505,40.142 56.018,39.656 55.531,39.656 v1(55.474,39.599)
+3.3V: C3.2 C18.2 J1.4 JP3.3 R16.2 U3.4 U3.5
+3.3V_ESP: C34.2 C38.2 C42.2 D7.1 FB4.1 R29.2 R31.2 R32.2 U9.5 U10.5 | length 62.4
  L1 w0.4: v1(70.7,24.2) 69.8,25.1 69.8,29.55 69.55,29.8 69.5,29.8 69.25,29.55 69.25,29.35 68.7,28.8 68.7,22.525 70.15,21.075 U10.5@70.15,20.85 70.1,20.9 69.067,20.9 68.833,20.666 68.833,13.434 70.3,11.967 70.3,6.3 69.9,5.9 69.9,3.934 70.134,3.7 U9.5@71.4,3.7 ; D7.1@73.9,20.519 73.925,20.544 73.925,22.475 C34.2@73.95,22.5 73.95,24.15 v1(73.9,24.2) ; D7.1@73.964,20.519 74.333,20.15 R29.2@76.1,20.15 ; R29.2@76.184,20.15 76.334,20.3 76.334,21 81.55,21 83.05,19.5 R31.2@83.05,19.2 83.15,19.1 84.3,19.1 85.1,19.9 C42.2@86,19.9 85.975,19.925 85.975,22.475 R32.2@85.95,22.5 C38.2@83.8,22.5
  L2 w0.4: v1(70.7,24.2) v1(73.9,24.2)
+3V3_16U2_UCAP: C10.2 R6.1 U1.27 | length 4.6
  L1 w0.4: R6.1@13.147,21.463 13.172,21.488 13.172,23.698 C10.2@13.198,23.724 ; C10.2@13.198,23.924 14.15,24.876 14.15,25.75 U1.27@14.2,25.8
+3V3_ESP_VCC: C35.2 C36.2 FB4.2 U8.2 | length 22.7
  L1 w0.4: v1(69,45.5) 69.15,45.65 69.15,46.3 69.4,46.55 C36.2@69.6,46.55 ; C35.2@69.4,40.9 69.4,39.075 70.2,38.275 70.2,32.2 70.15,32.15 70.15,31.95 69.9,31.7 FB4.2@69.7,31.7 ; C35.2@69.6,40.9 70.501,41.801 70.501,42.001 70.65,42.15 70.65,42.87 70.884,43.104 71.069,43.104 71.495,43.53 U8.2@71.799,43.53 73.176,43.53 73.646,44 v1(73.7,44)
  L2 w0.4: v1(69,45.5) 69,45.1 70.1,44 v1(73.7,44)